# Altium PCB CT310高端控制盒核心板电路V1.3.PcbDoc (part 1 of 10)
Units mil, origin at the board's own origin, x right, y up, seen from the top; angles counter-clockwise.
Board outline 3735.76 x 4625 mil, 2 copper layers (TOP, BOTTOM), stack 10.4 mil thick; 198 components, 362 nets, 1085 pads, 352 vias.
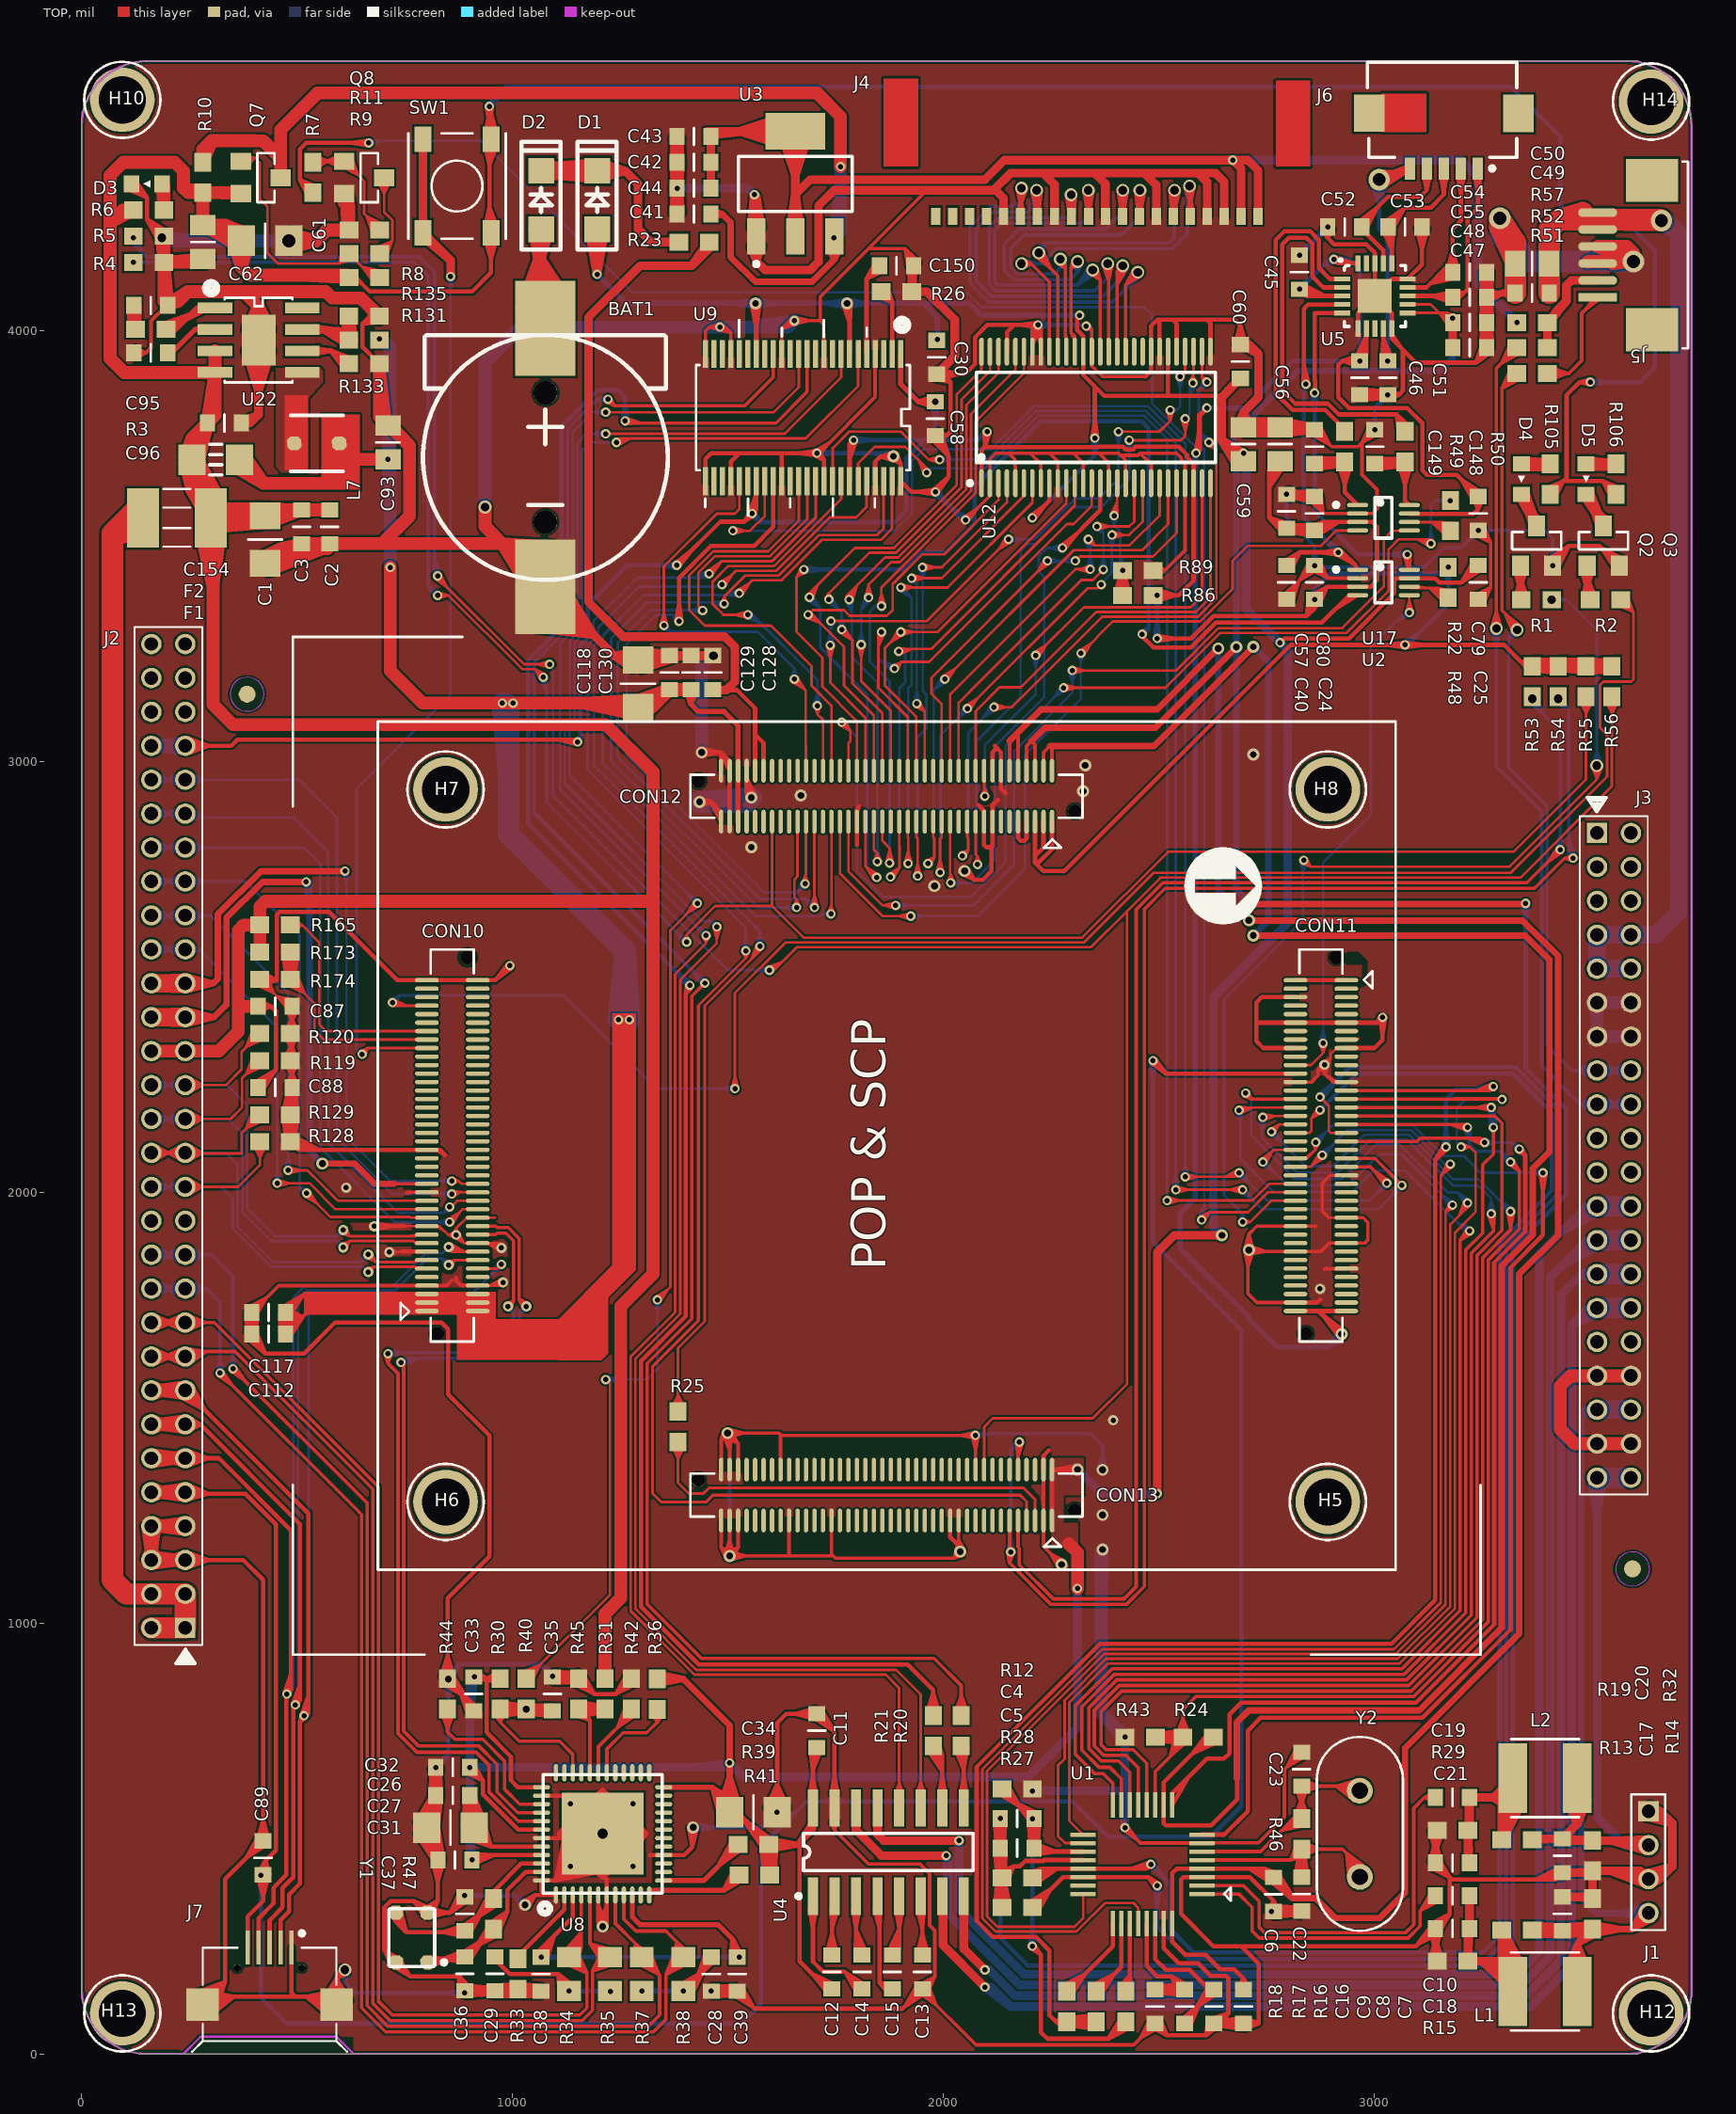
[diagram p0: TOP view]
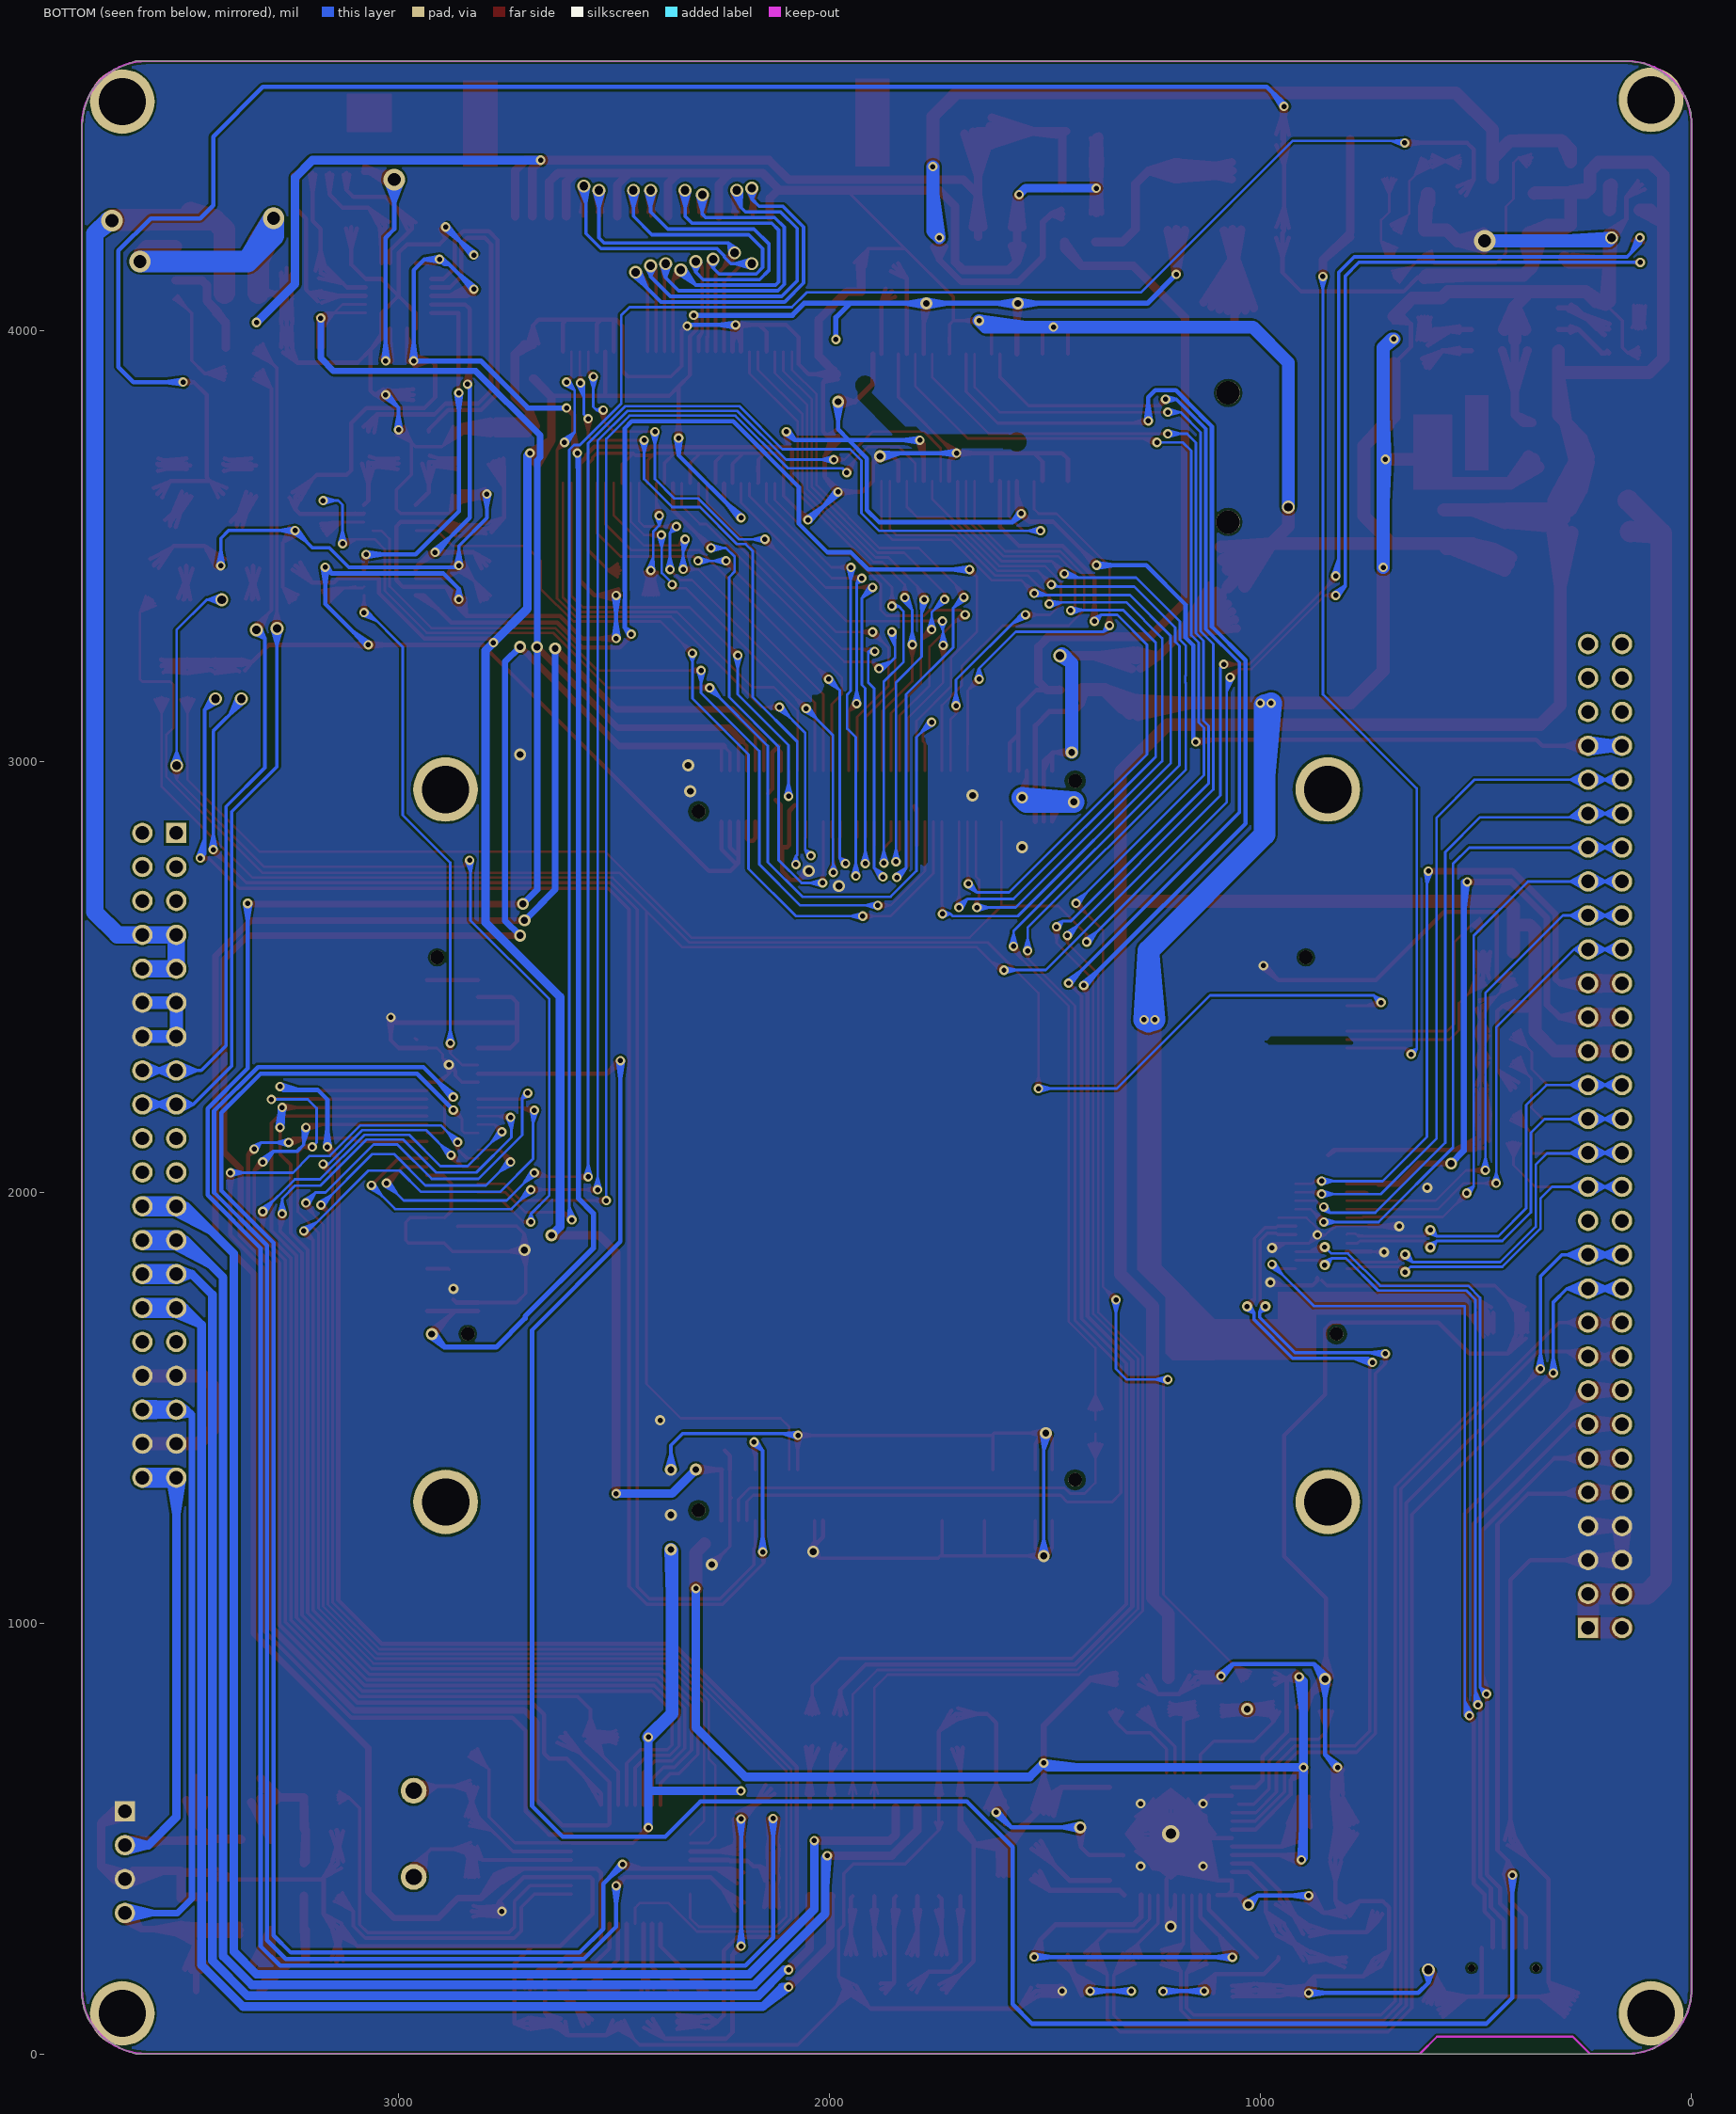
[diagram p1: BOTTOM view, seen from below]
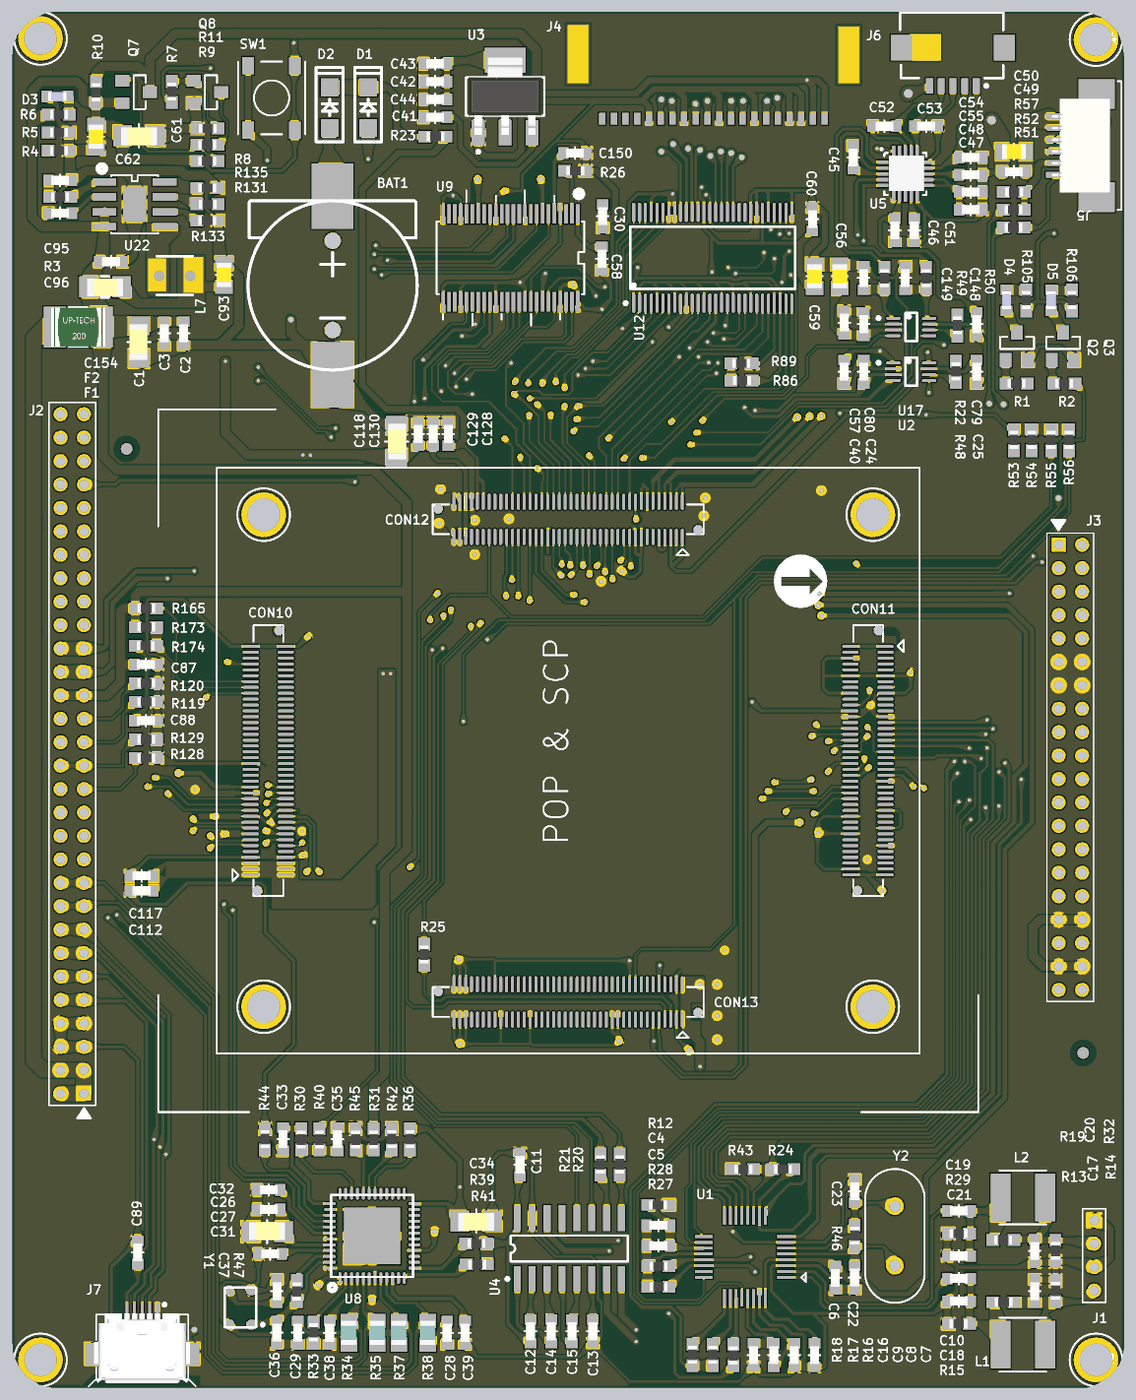
[diagram p11: 3D render of the assembled board from above, using the file's embedded part models]

## Layer stack, top to bottom
TOP: signal copper 1.2
Dielectric: core 8, FR-4, Dk 4.5
BOTTOM: signal copper 1.2

## Board outline
0,4479.24 0,150.76 0.76,125 10.76,95 25.76,65 45.76,40 70.76,25 90.76,10 135.76,0 160.76,0 3590.76,0 3610.76,0 3640.76,10 3665.76,25 3690.76,40 3705.76,60 3720.76,80 3730.76,105 3735.76,135 3735.76,145 3735.76,4475 3730.76,4510 3720.76,4540 3710.76,4560 3695.76,4575 3680.76,4590 3660.76,4605 3635.76,4615 3610.76,4625 3585.76,4625 145.76,4625 110.76,4620 90.76,4610 70.76,4600 50.76,4585 35.76,4570 15.76,4545 0.76,4505 0,4479.24

## Design rules (kind name [scope] priority, off if disabled: settings)
Clearance [All] p1: gap=5
HoleSize [All] p1: absolutevalues=TRUE maxlimit=200 minlimit=1 maxpercent=80.000 minpercent=20.000
MinimumSolderMaskSliver [All] p1: minsoldermaskwidth=8
PlaneConnect [All] p1: planeconnectstyle=Direct reliefexpansion=20 reliefentries=4 reliefconductorwidth=10 reliefairgap=10
PolygonConnect [All] p1: connectstyle=Direct reliefconductorwidth=10 reliefentries=4 polygonreliefangle="90 Angle" airgapwidth=10
RoutingVias [All] p1: holewidth=28 width=50 viastyle="Through Hole" minholewidth=10 minwidth=10 maxholewidth=50 maxwidth=100
SolderMaskExpansion [All] p1: expansion=4
Width [All] p1: maxlimit=100 minlimit=6 preferedwidth=10 minimp=60.000000 maximp=60.000000 favimp=60.000000
25 further rules are at their usual default settings.

## Classes and differential pairs
component class P16-Connector: J2 J3
net class XM0DATA[0..15]: XM0DATA0 XM0DATA1 XM0DATA2 XM0DATA3 XM0DATA4 XM0DATA5 XM0DATA6 XM0DATA7 XM0DATA8 XM0DATA9 XM0DATA10 XM0DATA11 XM0DATA12 XM0DATA13 XM0DATA14 XM0DATA15
net class XM0ADDR[0..7]: XM0ADDR0 XM0ADDR1 XM0ADDR2 XM0ADDR3 XM0ADDR4 XM0ADDR5 XM0ADDR6 XM0ADDR7
net class LCD_VD[0..23]: LCD_VD0 LCD_VD1 LCD_VD2 LCD_VD3 LCD_VD4 LCD_VD5 LCD_VD6 LCD_VD7 LCD_VD8 LCD_VD9 LCD_VD10 LCD_VD11 LCD_VD12 LCD_VD13 LCD_VD14 LCD_VD15 LCD_VD16 LCD_VD17 LCD_VD18 LCD_VD19 LCD_VD20 LCD_VD21 LCD_VD22 LCD_VD23
component class P15-EXP_IO: C93 C95 C96 C112 C117 C118 C128 C129 C130 C154 CON10 CON11 con12 CON13 F2 L7 R3 R4 R5 R53 R54 R55 R56 R131 R133 R135 R165 R173 R174 U22
component class "P11-CAMERA AVIN": C4 C5 C6 C7 C8 C9 C10 C16 C17 C18 C19 C20 C21 C22 C23 J1 L1 L2 R12 R13 R14 R15 R16 R17 R18 R19 R24 R27 R28 R29 R32 R43 R46 U1 Y2
component class P09-USB_JTAG: C87 C88 C89 J7 R119 R120 R128 R129
component class P07-LCD: C24 C25 C40 C41 C42 C43 C44 C45 C46 C47 C48 C49 C50 C51 C52 C53 C54 C55 C56 C57 C59 C60 C61 C62 C79 C80 C148 C149 J4 J6 Q7 Q8 R7 R8 R9 R10 R11 R22 R48 R49 R50 R51 R52 R57 R86 R89 U2 U3 U5 U12 U17
component class P04-NET: C26 C27 C28 C29 C30 C31 C32 C33 C34 C35 C36 C37 C38 C39 C58 C150 R25 R26 R30 R31 R33 R34 R35 R36 R37 R38 R39 R40 R41 R42 R44 R45 R47 U8 U9 Y1
component class P03-UARTs_KEY: C11 C12 C13 C14 C15 D4 D5 Q2 Q3 R1 R2 R20 R21 R105 R106 U4
component class P02-DC_JACK: BAT1 C1 C2 C3 D1 D2 D3 F1 H5 H6 H7 H8 H10 H12 H13 H14 R6 R23 SW1

## Components (designator, comment, footprint, x,y, rotation, side; value= is the part's Value field where it differs from the comment)
BAT1 "CR1220" BAT1 1075.76,3705 r90 top
C1 "22uF/10V" C1206-S 425.19,3514.53 r270 top
C2 "0.1uF/10V" C0603-S 575.19,3544.06 r270 top
C3 "10uF/10V" C0603-S 510.19,3544.06 r270 top
C4 "2.2uF" C0603-S 2170.76,546.25 r180 top
C5 "0.1uF" C0603-S 2170.76,477.5 r180 top
C6 "2.2uF" C0603-S 2765.76,370 r90 top
C7 "0.1uF" C0603-S 2695.76,110 r90 top
C8 "1uF" C0603-S 2627.43,110 r90 top
C9 "1uF" C0603-S 2559.09,110 r270 top
C10 "0.1uF" C0603-S 3180.76,367 r180 top
C11 "0.1uF" C0603-S 1705.76,750 r90 top
C12 "0.1uF" C0603-S 1740.76,190 r90 top
C13 "0.1uF" C0603-S 1950.76,190 r270 top
C14 "0.1uF" C0603-S 1810.76,190 r270 top
C15 "0.1uF" C0603-S 1880.76,190 r90 top
C16 "1uF" C0603-S 2490.76,110 r90 top
C17 "0.1uF/NC" C0603-S 3435.76,325 r90 top
C18 "0.1uF/NC" C0603-S 3180.76,291 r180 top
C19 "0.1uF" C0603-S 3180.76,595 r180 top
C20 "0.1uF/NC" C0603-S 3435.76,460 r270 top
C21 "0.1uF/NC" C0603-S 3180.76,443 r180 top
C22 "22pF" C0603-s 2830.76,370.63 r270 top
C23 "22pF" C0603-s 2830.76,660.63 r270 top
C24 "0.1uF" C0603-S 2860.76,3415 r90 top
C25 "0.1uF" C0603-S 3240.76,3415 r270 top
C26 "0.1uF" C0603-S 860.76,600 r180 top
C27 "22uF" C1206-S 855.76,525 r180 top
C28 "0.1uF" C0603-S 1460.76,185 r90 top
C29 "0.1uF" C0603-S 958.61,185.57 r90 top
C30 "0.1uF" C0603-S 1983.61,3937.64 r270 top
C31 "0.1uF" C0603-S 865.76,450 r180 top
C32 "0.1uF" C0603-S 860.76,665 r180 top
C33 "0.1uF" C0603-S 909.51,835.57 r270 top
C34 "22uF" C1206-S 1558.61,560.57 r0 top
C35 "0.1uF" C0603-S 1092.19,835.57 r270 top
C36 "22pF" C0603-S 888.61,185.57 r270 top
C37 "22pF" C0603-S 888.61,325 r90 top
C38 "0.1uF" C0603-S 1065.76,185 r270 top
C39 "0.1uF" C0603-S 1520.76,185 r270 top
C40 "0.1uF/NC" C0603-S 2795.76,3415 r270 top
C41 "10uF" C0603-s 1420.76,4270 r0 top
C42 "10uF" C0603-s 1420.76,4390 r0 top
C43 "0.1uF" C0603-s 1420.76,4450 r0 top
C44 "0.1uF" C0603-s 1420.76,4330 r0 top
C45 "0.1uF" C0603-S 2825.76,4135 r270 top
C46 "0.1uF" C0603-S 2965.76,3890 r90 top
C47 "0.1uF" C0603-S 3220.76,3960 r180 top
C48 "0.1uF" C0603-S 3220.76,4018.33 r180 top
C49 "0.1uF" C0603-s 3365.76,4086.67 r0 top
C50 "22uF" C0805-s 3365.76,4154.84 r0 top
C51 "1nF" C0603-S 3030.76,3890 r90 top
C52 "1nF" C0603-S 2930.76,4240 r0 top
C53 "1nF" C0603-S 3070.76,4240 r180 top
C54 "1nF" C0603-S 3220.76,4135 r180 top
C55 "1nF" C0603-S 3220.76,4076.67 r180 top
C56 "10uF" C0805-S 2780.76,3735.91 r90 top
C57 "0.1uF" C0603-S 2795.76,3580 r90 top
C58 "0.1uF" C0603-S 1980.76,3795 r270 top
C59 "10uF" C0805-S 2695.76,3735.91 r90 top
C60 "0.1uF" C0603-S 2688.61,3927.64 r90 top
C61 "47uF/16v" C1206-S 425.19,4207.85 r0 top
C62 "10uF" C0805-S 280.76,4205 r270 top
C79 "0.1uF" C0603-S 3240.76,3575 r270 top
C80 "0.1uF" C0603-S 2860.76,3575 r90 top
C87 "1uF/10V" C0603-S 448.61,2431.21 r0 top
C88 "1uF/10V" C0603-S 448.61,2242.43 r0 top
C89 "4.7uF" C0603-S 420.76,455 r270 top
C93 "22uF" C0805-S 710.76,3740 r90 top
C95 "560pF" C0603-S 160.19,4057.85 r0 top
C96 "10nF" C0603-S 160.19,3947.85 r180 top
C112 "0.1uF/10V" C0603-S 433.61,1670.57 r180 top
C117 "0.1uF/10V" C0603-S 433.61,1720.57 r180 top
C118 "22uF/10V" C1206-S 1290.76,3180 r90 top
C128 "1uF/10V" C0603-S 1464.61,3205.89 r90 top
C129 "0.1uF/10V" C0603-S 1414.11,3205.89 r90 top
C130 "0.1uF/10V" C0603-S 1363.61,3205.89 r90 top
C148 "0.1uF/NC" C0603-S 3000.76,3730 r90 top
C149 "0.1uF/NC" C0603-S 2860.76,3730 r90 top
C150 "0.1uF/NC" C0603-S 1890.76,4150 r0 top
C154 "10uF" C0603-S 330.76,3785 r0 top
CON10 "CON40X2_0_8MM" CON2X40-0_5MM-BB 859.72,2107.89 r90 top
CON11 "CON40X2_0_8MM" CON2X40-0_5MM-BB 2875.46,2107.89 r270 top
CON12 "CON40X2_0_8MM" CON2X40-0_5MM-BB 1867.59,2918.92 r180 top
CON13 "CON40X2_0_8MM" CON2X40-0_5MM-BB 1867.59,1296.87 r180 top
D1 "IN4148" D1206 1195.76,4305 r270 top
D2 "IN4148" D1206 1065.76,4305 r270 top
D3 "LED-Red (SMD 2012)" LED0603 150.76,4340 r180 top
D4 "LED-Red (SMD 2012)" LED0603 3340.76,3655 r270 top
D5 "LED-Red (SMD 2012)" LED0603 3490.76,3655 r270 top
F1 "500ma" F1812 220.76,3565 r0 top
F2 "0R/NC" F1206 310.76,3700 r0 top
H5 "TP_P0_0.8_D0" HOLE2_7 2891.52,1280.91 r0 top
H6 "TP_P0_0.8_D0" HOLE2_7 844.26,1280.91 r0 top
H7 "TP_P0_0.8_D0" HOLE2_7 844.26,2934.45 r0 top
H8 "TP_P0_0.8_D0" HOLE2_7 2891.62,2934.45 r0 top
H10 "TP_P0_0.8_D0" HOLE2_7 93.95,4535 r0 top
H12 "TP_P0_0.8_D0" HOLE2_7 3641.81,93.95 r0 top
H13 "TP_P0_0.8_D0" HOLE2_7 93.95,93.95 r0 top
H14 "TP_P0_0.8_D0" HOLE2_7 3641.81,4531.05 r0 top
J1 "HEADER1X4" HD1X4-2.00 3635.76,445 r270 top
J2 "HEADER 30X2" HD2X30-2.00 200.76,2130.37 r90 top
J3 "HEADER 2X20" HD2X20-2.00 3555.76,2085.42 r270 top
J4 "DF19G-20P-1H" DF19G-20P-1H 2355.76,4265 r180 top
J5 "ZH1X6WT-1.5" sm06b-srss-tb 3580.76,4175 r90 top
J6 "HEADER1X5" FFC/SM1.0-5 3160.76,4440 r180 top
J7 "ZX62RD-AB-5P8" MICRO-USB 435.76,180.55 r180 top
L1 "3.3uH/NC" L4X4-S 3395.76,145 r180 top
L2 "3.3uH/NC" L4X4-S 3395.76,640 r180 top
L7 "2.2uH" L3X3MM 545.19,3737.85 r0 top
Q2 "L9014" SOT-23 3375.76,3500 r180 top
Q3 "L9014" SOT-23 3530.76,3500 r180 top
Q7 "AO3415A" SOT-23 415.44,4355 r90 top
Q8 "8050" SOT-23 655.44,4355 r90 top
R1 "1K" R0603-S 3375.76,3375 r0 top
R2 "1K" R0603-S 3535.76,3375 r0 top
R3 "33K" R0603-S 160.19,4002.85 r0 top
R4 "10K" R0603-S 155.19,4157.85 r180 top
R5 "10K" R0603-S 155.19,4218.57 r180 top
R6 "1K" R0603-S 155.19,4279.28 r180 top
R7 "1K/NC" R0603-S 535.76,4355 r270 top
R8 "100K" R0603-S 655.44,4122.85 r0 top
R9 "22R/NC" R0603-S 655.44,4177.85 r0 top
R10 "0R" R0603-S 280.76,4355 r90 top
R11 "10K/NC" R0603-S 655.44,4232.85 r180 top
R12 "0R" R0603-S 2170.76,615 r0 top
R13 "37.4R" R0603-S 3330.76,287.6 r180 top
R14 "37.4R" R0603-S 3505.76,325 r270 top
R15 "75R/NC" R0603-S 3180.76,215 r0 top
R16 "10k" R0603-S 2422.43,110 r90 top
R17 "0R/NC" R0603-S 2354.09,110 r270 top
R18 "0R" R0603-S 2285.76,110 r270 top
R19 "37.4R" R0603-S 3330.76,497.4 r0 top
R20 "0R" R0603-S 2040.76,750 r270 top
R21 "0R" R0603-S 1975.76,750 r270 top
R22 "0R" R0603-S 3175.76,3570 r270 top
R23 "0R" R0603-S 1420.76,4205 r180 top
R24 "10k" R0603-S 2590.76,735 r0 top
R25 "0R" R0603-S 1383.61,1455.57 r270 top
R26 "10K" R0603-S 1890.76,4090 r180 top
R27 "2.2k/NC" R0603-S 2170.76,340 r180 top
R28 "2.2k/NC" R0603-S 2170.76,408.75 r180 top
R29 "75R/NC" R0603-S 3180.76,519 r0 top
R30 "10K/NC" R0603-S 970.4,835.57 r90 top
R31 "15K" R0603-S 1213.97,835.57 r90 top
R32 "37.4R" R0603-S 3505.76,460 r270 top
R33 "10K" R0603-S 1012.19,185.57 r270 top
R34 "49.9R" R0805-S 1130.76,185 r270 top
R35 "49.9R" R0805-S 1225.76,185 r270 top
R36 "10K" R0603-S 1335.76,835 r270 top
R37 "49.9R" R0805-S 1299.09,185 r270 top
R38 "49.9R" R0805-S 1395.76,185 r270 top
R39 "10K" R0603-S 1558.61,485.57 r180 top
R40 "0R" R0603-S 1031.29,835.57 r90 top
R41 "10K" R0603-S 1560.76,415 r180 top
R42 "10K" R0603-S 1274.87,835.57 r270 top
R43 "NC" R0603-S 2455.76,735 r180 top
R44 "10K" R0603-S 848.61,835.57 r270 top
R45 "47K" R0603-S 1153.08,835.57 r90 top
R46 "1M" R0603-S 2830.76,510.63 r270 top
R47 "1M" R0603-S 955.76,325 r90 top
R48 "10K" R0603-S 3170.76,3415 r270 top
R49 "0R" R0603-S 2930.76,3730 r90 top
R50 "0R" R0603-S 3070.76,3730 r90 top
R51 "NC" R0603-S 3365.76,3900 r0 top
R52 "NC" R0603-S 3365.76,3960 r0 top
R53 "0R/NC" R0603-S 3365.76,3185 r270 top
R54 "0R" R0603-S 3425.76,3185 r270 top
R55 "0R/NC" R0603-S 3490.76,3185 r270 top
R56 "0R" R0603-S 3550.76,3185 r270 top
R57 "0R" R0603-S 3365.76,4018.33 r180 top
R86 "10K" R0603-S 2450.76,3385 r180 top
R89 "NC" R0603-S 2450.76,3442.85 r0 top
R105 "1K" R0603-S 3407.43,3655 r270 top
R106 "1K" R0603-S 3560.76,3655 r270 top
R119 "15K" R0603-S 448.61,2305.36 r180 top
R120 "15K" R0603-S 448.61,2368.29 r180 top
R128 "15K" R0603-S 448.61,2116.57 r180 top
R129 "15K" R0603-S 448.61,2179.5 r180 top
R131 "38K" R0603-S 655.19,3977.85 r180 top
R133 "510K  1%" R0603-S 655.19,3922.85 r0 top
R135 "10K" R0603-S 655.19,4032.85 r0 top
R165 "800K" R0603-S 448.61,2620 r180 top
R173 "800K/NC" R0603-S 448.61,2557.07 r180 top
R174 "0R" R0603-S 448.61,2494.14 r0 top
SW1 "RESET" SW4-SMD 870.76,4335 r90 top
U1 "TVP5150AM1PBSR" PFFQ32 2480.76,440 r90 top
U2 "TXS0102DCU" tssop8 3020.76,3415 r270 top
U3 "REG1117-3.3V" SOT-223 1655.76,4340 r0 top
U4 "MAX3232CSE" SO-16 1870.19,467.85 r0 top
U5 "TSC2004IRTJ" QFN20 3000.76,4080 r0 top
U8 "DM9621ANP" QFN48-050-0707LH 1208.61,510.57 r90 top
U9 "U-74ALVC164245DGG" TSSOP_48 1673.61,3797.64 r180 top
U12 "GM8285C" TSSOP56 2353.61,3797.96 r0 top
U17 "TXS0102DCU" TSSOP8 3020.76,3565 r270 top
U22 "RT8065ZSP" SOIC8-LH 410.19,3977.85 r270 top
Y1 "25MHz" X4-2_5X3_2 765.76,270 r180 top
Y2 "14.31818MHz" CRYSTAL_D200 2965.76,510.37 r270 top

## Footprints (in the part's own frame and the unit in brackets; to place one, negate y for a bottom-side part, rotate by r counter-clockwise, add the part's x,y. Pads: shape width x height; smd on the part's side, far side on the other; paste and mask are expansions set on the pad)
BAT1 [mil] "BAT1"
  rect 220x140 smd: 1(300,0) 2(-300,0)
  round 55 / inner round 60 / far side round 55 hole 55: " "(-150,0) " "(150,0)
  silkscreen extent -284,-284 284,284
C0603-S [mm]
  rect 0.9x1 smd: 1(-1,0) 2(1,0)
  silkscreen extent 0,-0.5 0,0.5, body extent -0.76,-0.39 0.76,0.38, height 0.46
C0603-s [mm]
  rect 0.9x1 smd: 1(-1,0) 2(1,0)
  silkscreen extent 0,-0.5 0,0.5, body extent -0.76,-0.39 0.76,0.38, height 0.46
C0805-s [mm]
  rect 1.2x1.5 smd: 1(-1,0) 2(1,0)
  silkscreen extent 0,-0.69 0,0.69, body extent -1.02,-0.64 1.02,0.64, height 0.61
C0805-S [mm]
  rect 1.2x1.5 smd: 1(-1,0) 2(1,0)
  silkscreen extent 0,-0.69 0,0.69, body extent -1.02,-0.64 1.02,0.64, height 0.61
C1206-S [mm]
  rect 1.6x1.8 smd: 1(-1.4,0) 2(1.4,0)
  silkscreen extent 0,-1 0,1, body extent -1.52,-0.82 1.52,0.71, height 0.61
CON2X40-0_5MM-BB [mil] "CON2X40-0_5MM-BB"
  oval 10x55 smd: 1(-383.86,59.06) 2(-383.86,-59.06) 3(-364.17,59.06) 4(-364.17,-59.06) 5(-344.49,59.06) 6(-344.49,-59.06) 7(-324.8,59.06) 8(-324.8,-59.06) 9(-305.12,59.06) 10(-305.12,-59.06) 11(-285.43,59.06) 12(-285.43,-59.06) 13(-265.75,59.06) 14(-265.75,-59.06) 15(-246.06,59.06) 16(-246.06,-59.06) 17(-226.38,59.06) 18(-226.38,-59.06) 19(-206.69,59.06) 20(-206.69,-59.06) 21(-187.01,59.06) 22(-187.01,-59.06) 23(-167.32,59.06) 24(-167.32,-59.06) 25(-147.64,59.06) 26(-147.64,-59.06) 27(-127.95,59.06) 28(-127.95,-59.06) 29(-108.27,59.06) 30(-108.27,-59.06) 31(-88.58,59.06) 32(-88.58,-59.06) 33(-68.9,59.06) 34(-68.9,-59.06) 35(-49.21,59.06) 36(-49.21,-59.06) 37(-29.53,59.06) 38(-29.53,-59.06) 39(-9.84,59.06) 40(-9.84,-59.06) 41(9.84,59.06) 42(9.84,-59.06) 43(29.53,59.06) 44(29.53,-59.06) 45(49.21,59.06) 46(49.21,-59.06) 47(68.9,59.06) 48(68.9,-59.06) 49(88.58,59.06) 50(88.58,-59.06) 51(108.27,59.06) 52(108.27,-59.06) 53(127.95,59.06) 54(127.95,-59.06) 55(147.64,59.06) 56(147.64,-59.06) 57(167.32,59.06) 58(167.32,-59.06) 59(187.01,59.06) 60(187.01,-59.06) 61(206.69,59.06) 62(206.69,-59.06) 63(226.38,59.06) 64(226.38,-59.06) 65(246.06,59.06) 66(246.06,-59.06) 67(265.75,59.06) 68(265.75,-59.06) 69(285.43,59.06) 70(285.43,-59.06) 71(305.12,59.06) 72(305.12,-59.06) 73(324.8,59.06) 74(324.8,-59.06) 75(344.49,59.06) 76(344.49,-59.06) 77(364.17,59.06) 78(364.17,-59.06) 79(383.86,59.06) 80(383.86,-59.06)
  round 32 / inner round 60 / far side round 32 hole 32: " "(-437.01,35.43) " "(437.01,-35.43)
  silkscreen extent -455,-50 455,120
CRYSTAL_D200 [mil] "CRYSTAL_D200"
  round 60 hole 38: 1(-100.26,0) 2(99.74,0)
  silkscreen extent -225,-100 225,100
D1206 [mil] "D1206"
  rect 60x60 smd: 1(70.49,0) 2(-65.49,0)
  silkscreen extent -132,-45 118,45
DF19G-20P-1H [mm]
  rect 0.55x1 smd: 1(-9.5,0) 2(-8.5,0) 3(-7.5,0) 4(-6.5,0) 5(-5.5,0) 6(-4.5,0) 7(-3.5,0) 8(-2.5,0) 9(-1.5,0) 10(-0.5,0) 11(0.5,0) 12(1.5,0) 13(2.5,0) 14(3.5,0) 15(4.5,0) 16(5.5,0) 17(6.5,0) 18(7.5,0) 19(8.5,0) 20(9.5,0)
  TOP region: -12.429,-5.508 -11.329,-5.508 -11.329,-3.008 -12.429,-3.008
  TOP region: 11.171,-5.508 12.271,-5.508 12.271,-3.008 11.171,-3.008
F1206 [mm]
  rect 1.6x1.8 smd: 1(-1.4,0) 2(1.4,0)
  silkscreen extent -0.35,-0.9 0.35,0.9, body extent -1.52,-0.82 1.52,0.71, height 0.61
F1812 [mm]
  rect 1.9x3.5 smd: 1(-2,0) 2(2,0)
  silkscreen extent -0.8,-1.7 0.8,1.7, body extent -2.29,-1.65 2.31,1.65, height 0.69
FFC/SM1.0-5 [mm] "Connector; FH12 Series; 9 Position; 1.0mm Spaced Bottom Standard Contact"
  rect 1.8x2.2 smd: 0(-4.4,-1.62) 0(4.4,-1.63)
  rect 0.6x1.3 smd: 1(-2,1.63) 2(-1,1.63) 3(0,1.63) 4(1,1.63) 5(2,1.63)
  silkscreen extent -4.3,-4.63 4.51,1.75
HD1X4-2.00 [mm]
  rect 1.2x1.2 hole 0.8: 1(-3,0)
  round 1.2 hole 0.8: 2(-1,0) 3(1,0) 4(3,0)
  silkscreen extent -4,-1.01 4,0.99
HD2X20-2.00 [mm]
  rect 1.2x1.2 hole 0.8: 1(-19,-1)
  round 1.2 hole 0.8: 2(-19,1) 3(-17,-1) 4(-17,1) 5(-15,-1) 6(-15,1) 7(-13,-1) 8(-13,1) 9(-11,-1) 10(-11,1) 11(-9,-1) 12(-9,1) 13(-7,-1) 14(-7,1) 15(-5,-1) 16(-5,1) 17(-3,-1) 18(-3,1) 19(-1,-1) 20(-1,1) 21(1,-1) 22(1,1) 23(3,-1) 24(3,1) 25(5,-1) 26(5,1) 27(7,-1) 28(7,1) 29(9,-1) 30(9,1) 31(11,-1) 32(11,1) 33(13,-1) 34(13,1) 35(15,-1) 36(15,1) 37(17,-1) 38(17,1) 39(19,-1) 40(19,1)